# Altium PCB Nixie_IN12.PcbDoc (continued)
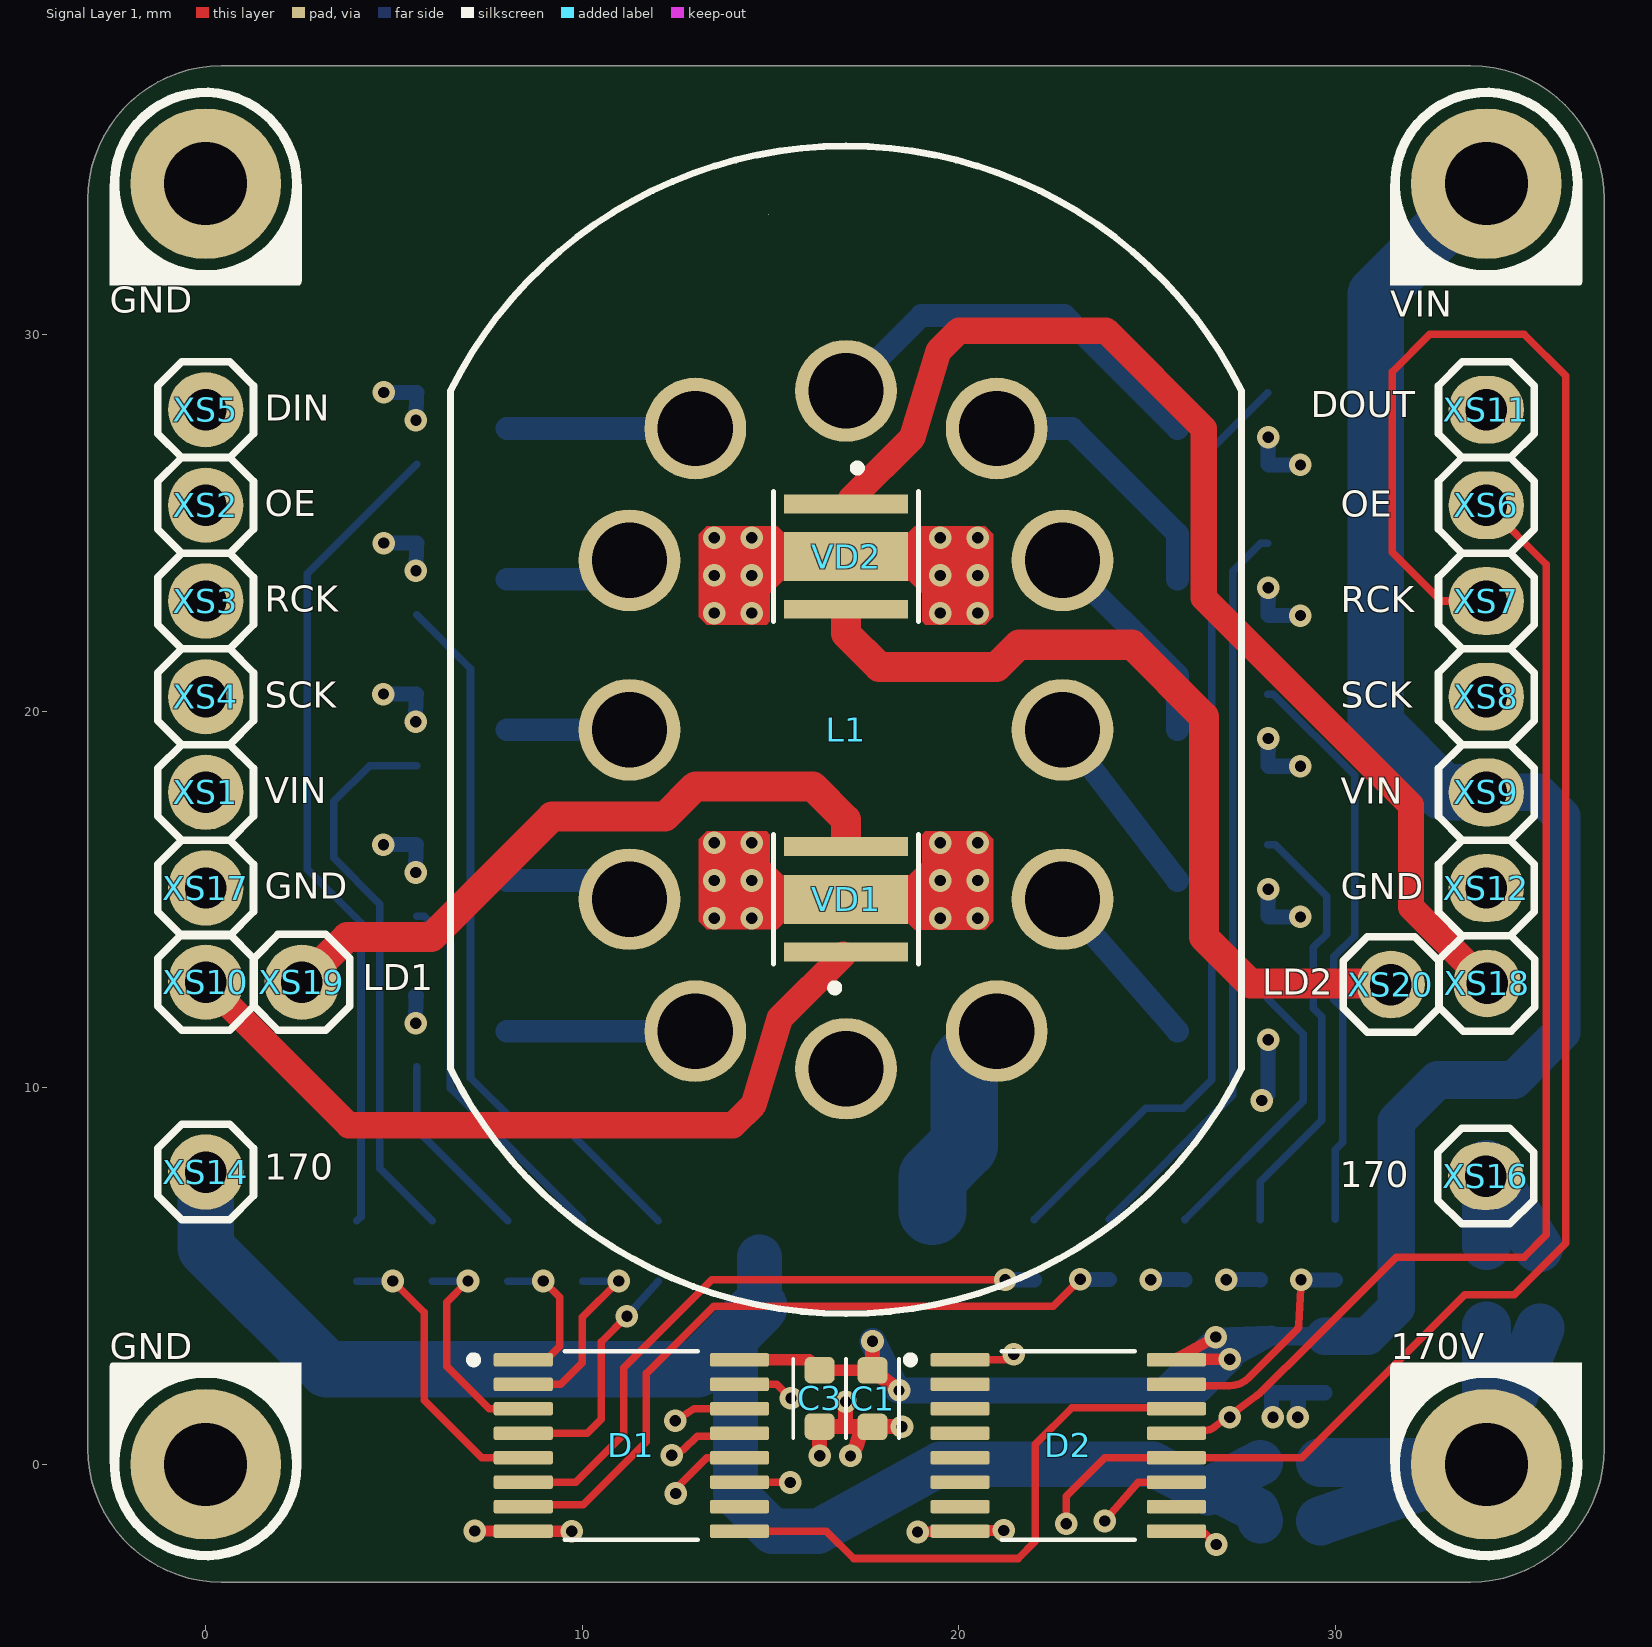
[diagram p0: Signal Layer 1 view]
## Design rules (kind name [scope] priority, off if disabled: settings) (continued)
Height [All] p1: minheight=0 maxheight=1000 prefheight=0
MinimumSolderMaskSliver [All] p1: minsoldermaskwidth=0.2
PlaneClearance [All] p1: clearance=0.5
PlaneConnect [All] p1: planeconnectstyle=Relief reliefexpansion=0.5 reliefentries=4 reliefconductorwidth=0.25 reliefairgap=0.25
PolygonConnect PolygonConnect_VIA [IsVia] p1: connectstyle=Direct reliefconductorwidth=0.3 reliefentries=4 polygonreliefangle="45 Angle" airgapwidth=0.25
PolygonConnect [All] p2: connectstyle=Direct reliefconductorwidth=0.3 reliefentries=4 polygonreliefangle="90 Angle" airgapwidth=0.25
RoutingCorners [All] p1: cornerstyle=45-Degree minsetback=2.5 maxsetback=2.5
RoutingVias [All] p1: holewidth=0.3 width=0.6 viastyle="Through Hole" minholewidth=0.2 minwidth=0.5 maxholewidth=0.7 maxwidth=1.2
ShortCircuit [All] p1: allowed=TRUE
SilkToSilkClearance [All] p1: silktosilkclearance=0.2
SilkToSolderMaskClearance [IsPad] p1: minsilkscreentomaskgap=0.2 clearancetoexposedcopper=TRUE
SolderMaskExpansion [All] p1: expansion=0.075 istentingtop=FALSE
Width [All] p1: maxlimit=2.5 minlimit=0.125 preferedwidth=0.25 substack1={F395EEA6-3FEA-43CE-B6E0-8CB6C0DE68A3} toplayer_{f395eea6-3fea-43ce-b6e0-8cb6c0de68a3}_minwidth=0.15 midlayer1_{f395eea6-3fea-43ce-b6e0-8cb6c0de68a3}_minwidth=0.15 midlayer2_{f395eea6-3fea-43ce-b6e0-8cb6c0de68a3}_minwidth=0.15 bottomlayer_{f395eea6-3fea-43ce-b6e0-8cb6c0de68a3}_minwidth=0.15 substack2={8E264451-6B6F-4AEF-BE25-3FA629468181} toplayer_{8e264451-6b6f-4aef-be25-3fa629468181}_minwidth=0.15 midlayer1_{8e264451-6b6f-4aef-be25-3fa629468181}_minwidth=0.15 midlayer2_{8e264451-6b6f-4aef-be25-3fa629468181}_minwidth=0.15 bottomlayer_{8e264451-6b6f-4aef-be25-3fa629468181}_minwidth=0.15 substack3={4B01B843-C838-4E2A-A504-E6D8B842CAE6} toplayer_{4b01b843-c838-4e2a-a504-e6d8b842cae6}_minwidth=0.15 midlayer1_{4b01b843-c838-4e2a-a504-e6d8b842cae6}_minwidth=0.15 midlayer2_{4b01b843-c838-4e2a-a504-e6d8b842cae6}_minwidth=0.15 bottomlayer_{4b01b843-c838-4e2a-a504-e6d8b842cae6}_minwidth=0.15 substack4={13A373E5-A3F0-4F58-9A2E-6A10E35ADB22} toplayer_{13a373e5-a3f0-4f58-9a2e-6a10e35adb22}_minwidth=0.15 midlayer1_{13a373e5-a3f0-4f58-9a2e-6a10e35adb22}_minwidth=0.15 midlayer2_{13a373e5-a3f0-4f58-9a2e-6a10e35adb22}_minwidth=0.15 bottomlayer_{13a373e5-a3f0-4f58-9a2e-6a10e35adb22}_minwidth=0.15 substack5={99483382-A1EF-4ECF-B319-A0B368B90AE1} toplayer_{99483382-a1ef-4ecf-b319-a0b368b90ae1}_minwidth=0.15 midlayer1_{99483382-a1ef-4ecf-b319-a0b368b90ae1}_minwidth=0.15 midlayer2_{99483382-a1ef-4ecf-b319-a0b368b90ae1}_minwidth=0.15 bottomlayer_{99483382-a1ef-4ecf-b319-a0b368b90ae1}_minwidth=0.15
20 further rules are at their usual default settings.

## Components (designator, comment, footprint, x,y, rotation, side; value= is the part's Value field where it differs from the comment)
C1 "Ceramic capacitor, 10 мкФ, X7R, ±10%, 16V, 0603, -55...+125°C" "CAP: 0603R" 17.704,1.746 r270 top value="10 мкФ"
C2 "Ceramic capacitor, 10 мкФ, X7R, ±10%, 16V, 0603, -55...+125°C" "CAP: 0603R" 29.713,2.65 r270 bottom value="10 мкФ"
C3 "Ceramic capacitor, 0,1 мкФ, X7R, ±10%, 16V, 0603, -55...+125°C" "CAP: 0603R" 16.301,1.75 r270 top value="0,1 мкФ"
C4 "Ceramic capacitor, 0,1 мкФ, X7R, ±10%, 16V, 0603, -55...+125°C" "CAP: 0603R" 28.3,2.649 r270 bottom value="0,1 мкФ"
D1 "" 16-TSSOP(RS) 11.301,0.5 r0 top
D2 "" 16-TSSOP(RS) 22.9,0.5 r0 top locked
L1 "ИН-12" "LAMP: IN-12" 17,19.5 r0 top locked
R1 "Resistor film, 20 кОм, ±5%, 0603, 0.1W, -55...+125°C" "RES: 0603_ASK" 26.012,6.489 r270 bottom value="20 кОм"
R2 "Resistor film, 20 кОм, ±5%, 0603, 0.1W, -55...+125°C" "RES: 0603_ASK" 8.029,6.453 r270 bottom value="20 кОм"
R3 "Resistor film, 20 кОм, ±5%, 0603, 0.1W, -55...+125°C" "RES: 0603_ASK" 10.029,6.453 r270 bottom value="20 кОм"
R4 "Resistor film, 20 кОм, ±5%, 0603, 0.1W, -55...+125°C" "RES: 0603_ASK" 6.029,6.453 r270 bottom value="20 кОм"
R5 "Resistor film, 20 кОм, ±5%, 0603, 0.1W, -55...+125°C" "RES: 0603_ASK" 12.029,6.453 r270 bottom value="20 кОм"
R6 "Resistor film, 20 кОм, ±5%, 0603, 0.1W, -55...+125°C" "RES: 0603_ASK" 4.029,6.453 r270 bottom value="20 кОм"
R7 "Resistor film, 20 кОм, ±5%, 0603, 0.1W, -55...+125°C" "RES: 0603_ASK" 22.012,6.489 r270 bottom value="20 кОм"
R8 "Resistor film, 20 кОм, ±5%, 0603, 0.1W, -55...+125°C" "RES: 0603_ASK" 24,6.5 r270 bottom value="20 кОм"
R9 "Resistor film, 20 кОм, ±5%, 0603, 0.1W, -55...+125°C" "RES: 0603_ASK" 30,6.5 r270 bottom value="20 кОм"
R10 "Resistor film, 20 кОм, ±5%, 0603, 0.1W, -55...+125°C" "RES: 0603_ASK" 28.012,6.489 r270 bottom value="20 кОм"
R11 "Resistor film, 20 кОм, ±5%, 2010, 0.75W, -55...+125°C" "RES: 2010" 17,5.5 r180 bottom value="20 кОм"
R12 "Resistor film, Не уст, ±5%, 0603, 0.1W, -55...+125°C" "RES: 0603_ASK" 33.988,3.911 r90 bottom value="Не уст"
R13 "Resistor film, Не уст, ±5%, 0603, 0.1W, -55...+125°C" "RES: 0603_ASK" 35.525,3.911 r90 bottom value="Не уст"
R14 "Resistor film, Не уст, ±5%, 0603, 0.1W, -55...+125°C" "RES: 0603_ASK" 29.589,-1.512 r180 bottom value="Не уст"
R15 "Resistor film, Не уст, ±5%, 0603, 0.1W, -55...+125°C" "RES: 0603_ASK" 29.589,0.032 r180 bottom value="Не уст"
VD1 "LED, , , XP-G2, -55...+150°C" "LED: XTEAWT" 17,15 r90 top
VD2 "LED, , , XP-G2, -55...+150°C" "LED: XTEAWT" 17,24.1 r270 top
VT1 "NPN transistor, 45V, 100mA, 100MHz, 300mW, 0.6V, 420, SOT-23, -55...+125°C" SOT23 27,11.5 r180 bottom
VT2 "NPN transistor, 45V, 100mA, 100MHz, 300mW, 0.6V, 420, SOT-23, -55...+125°C" SOT23 6.8,11.5 r0 bottom
VT3 "NPN transistor, 45V, 100mA, 100MHz, 300mW, 0.6V, 420, SOT-23, -55...+125°C" SOT23 6.8,15.5 r0 bottom
VT4 "NPN transistor, 45V, 100mA, 100MHz, 300mW, 0.6V, 420, SOT-23, -55...+125°C" SOT23 6.8,19.5 r0 bottom
VT5 "NPN transistor, 45V, 100mA, 100MHz, 300mW, 0.6V, 420, SOT-23, -55...+125°C" SOT23 6.8,23.5 r0 bottom
VT6 "NPN transistor, 45V, 100mA, 100MHz, 300mW, 0.6V, 420, SOT-23, -55...+125°C" SOT23 6.8,27.5 r0 bottom
VT7 "NPN transistor, 45V, 100mA, 100MHz, 300mW, 0.6V, 420, SOT-23, -55...+125°C" SOT23 27,27.5 r180 bottom
VT8 "NPN transistor, 45V, 100mA, 100MHz, 300mW, 0.6V, 420, SOT-23, -55...+125°C" SOT23 27,23.5 r180 bottom
VT9 "NPN transistor, 45V, 100mA, 100MHz, 300mW, 0.6V, 420, SOT-23, -55...+125°C" SOT23 27,19.5 r180 bottom
VT10 "NPN transistor, 45V, 100mA, 100MHz, 300mW, 0.6V, 420, SOT-23, -55...+125°C" SOT23 27,15.5 r180 bottom
XS1 "" "CON: PLD-1"#1 0,17.84 r90 top
XS2 "" "CON: PLD-1"#1 0,25.46 r90 top
XS3 "" "CON: PLD-1"#1 0,22.92 r90 top
XS4 "" "CON: PLD-1"#1 0,20.38 r90 top
XS5 "" "CON: PLD-1"#1 0,28 r90 top
XS6 "" "CON: PLD-1"#2 34,25.46 r90 top
XS7 "" "CON: PLD-1"#2 34,22.92 r90 top
XS8 "" "CON: PLD-1"#2 34,20.38 r90 top
XS9 "" "CON: PLD-1"#2 34,17.84 r90 top
XS10 "" "CON: PLD-1"#1 0,12.8 r90 top
XS11 "" "CON: PLD-1"#2 34,28 r90 top
XS12 "" "CON: PLD-1"#2 34,15.3 r90 top
XS14 "" "CON: PLD-1"#1 0,7.76 r90 top
XS16 "" "CON: PLD-1"#2 33.984,7.651 r90 top
XS17 "" "CON: PLD-1"#1 0,15.3 r90 top
XS18 "" "CON: PLD-1"#3 34.02,12.769 r90 top
XS19 "" "CON: PLD-1"#1 2.555,12.797 r90 top
XS20 "" "CON: PLD-1"#3 31.468,12.738 r90 top

## Footprints (in the part's own frame and the unit in brackets; to place one, negate y for a bottom-side part, rotate by r counter-clockwise, add the part's x,y. Pads: shape width x height; smd on the part's side, far side on the other; paste and mask are expansions set on the pad)
16-TSSOP(RS) [mm] "pitch 0.635 mm"
  rrect25% 1.57x0.35 smd: 1(-2.87,2.275) 2(-2.87,1.625) 3(-2.87,0.975) 4(-2.87,0.325) 5(-2.87,-0.325) 6(-2.87,-0.975) 7(-2.87,-1.625) 8(-2.87,-2.275) 9(2.87,-2.275) 10(2.87,-1.625) 11(2.87,-0.975) 12(2.87,-0.325) 13(2.87,0.325) 14(2.87,0.975) 15(2.87,1.625) 16(2.87,2.275)
  silkscreen extent -4.29,-2.5 1.77,2.5, body extent -3.2,-2.5 3.2,2.5, height 1.2
"CAP: 0603R" [mm]
  rrect43% 0.7x0.8 smd mask+0.1: 1(0.75,0) 2(-0.75,0)
  silkscreen extent -1.05,-0.7 1.05,0.7, body extent -0.87,-0.47 0.87,0.48, height 0.95
"CON: PLD-1"#1 [mm]
  round 2 hole 1.1: 1(0,0)
  silkscreen extent -1.27,-1.27 1.27,1.27
"CON: PLD-1"#2 [mm]
  oval 1.8x2 hole 1.1: 1(0,0)
  silkscreen extent -1.27,-1.27 1.27,1.27
"CON: PLD-1"#3 [mm]
  round 1.8 hole 1.1: 1(0,0)
  silkscreen extent -1.27,-1.27 1.27,1.27
"LAMP: IN-12" [mm]
  round 2.7 hole 2: 1(4,-8) 2(5.75,-4.5) 3(5.75,0) 4(5.75,4.5) 5(4,8) 6(0,9) 7(-4,8) 8(-5.75,4.5) 9(-5.75,0) 10(-5.75,-4.5) 11(-4,-8) 12(0,-9)
  silkscreen extent -10.5,-15.5 10.5,15.5, body extent -10.5,-15.5 10.5,15.5, height 36
"LED: XTEAWT" [mm]
  rect 0.5x3.3 smd: 1(-1.4,0) 2(1.4,0)
  rect 1.3x3.3 smd paste-3: E(0,0)
  silkscreen extent -2.45,-1.92 1.73,1.92, body extent -1.73,-1.73 1.72,1.72, height 2.38
"RES: 0603_ASK" [mm]
  rrect35% 0.9x0.9 smd mask+0.075: 1(-0.011,0.012) 2(1.589,0.012)
  silkscreen extent -0.41,-0.69 1.99,0.71, body extent -0.06,-0.44 1.64,0.46, height 0.55
"RES: 2010" [mm]
  rect 1.4x2.7 smd: 1(-2.3,0) 2(2.3,0)
  silkscreen extent -3.2,-1.6 3.2,1.55, body extent -2.5,-1.25 2.5,1.25, height 0.6
SOT23 [mm]
  rect 1x0.6 smd: 1(-1.2,0.95) 2(-1.2,-0.95) 3(1.2,0)
  round 0.5 on Mech1: ""(-0.9,1.1)
  silkscreen extent -1.33,-1.5 0.7,1.92, body extent -1.32,-1.52 1.32,1.52, height 1.12

## Part data
C1 C2 C3 C4: library part Ceramic_0603, Manufacturer=Yageo, Package=0603, Temperature=-55...+125°C, Tolerance=±10%, TypeCapacitor="Ceramic capacitor", TypeDielectric=X7R, Voltage=16V
  C1 C2: ValueManufacturerPartNumber="Ceramic capacitor, 10 мкФ, X7R, ±10%, 16V, 0603, -55...+125°C", Перечень="10 мкФ ±10%, , X7R,  0603"
  C3 C4: ValueManufacturerPartNumber="Ceramic capacitor, 0,1 мкФ, X7R, ±10%, 16V, 0603, -55...+125°C", Перечень="0,1 мкФ ±10%, , X7R,  0603"
D1 D2: library part SN74HC595DB, "8-Bit Parallel-Out Serial Shift Registers", Manufacturer="Texas Instruments", Package=16-TSSOP, PartNumber=SN74HC595PW, Temperature=-40...+125°C, Supply=2...6V
L1: PartNumber=ИН-12Б
R1 R2 R3 R4 R5 R6 R7 R8 R9 R10 R12 R13 R14 R15: library part Resistor_0603, Manufacturer=Yageo, Package=0603, PartNumber=RC0603JR-07100RL, Power=0.1W, Temperature=-55...+125°C, Tolerance=±5%, TypeResistor="Resistor film", HelpURL=https://www.digikey.com/product-detail/en/yageo/RC0603JR-07100RL/311-100GRCT-ND/729644
  R1 R2 R3 R4 R5 R6 R7 R8 R9 R10: ValueManufacturerPartNumber="Resistor film, 20 кОм, ±5%, 0603, 0.1W, -55...+125°C"
  R12 R13 R14 R15: ValueManufacturerPartNumber="Resistor film, Не уст, ±5%, 0603, 0.1W, -55...+125°C"
R11: library part Resistor_2010, Manufacturer=Yageo, Package=2010, PartNumber=RC2010JK-07100RL, Power=0.75W, Temperature=-55...+125°C, Tolerance=±5%, TypeResistor="Resistor film", HelpURL=https://www.digikey.com/product-detail/en/yageo/RC2010JK-07100RL/YAG3381CT-ND/5962203, ValueManufacturerPartNumber="Resistor film, 20 кОм, ±5%, 2010, 0.75W, -55...+125°C"
VD1 VD2: library part LED_Salut, Manufacturer=CREE, Maximum drive current="2 A", Package=XP-G2, PartNumber="XTEAWT - E0 - 0000 - 00000BGE7", Temperature=-55...+150°C, HelpURL=https://cree-led.com/media/documents/XLampXTE.pdf, Maximum V="2.85 V", TypeDiode=LED, ValueManufacturerPartNumber="LED, , , XP-G2, -55...+150°C"
VT1 VT2 VT3 VT4 VT5 VT6 VT7 VT8 VT9 VT10: library part BJT_NPN_132, CurrentCE=100mA, CurrentGain=420, Frequency=100MHz, Manufacturer="ON Semiconductor", MaxPower=300mW, Package=SOT-23, PartNumber=MMBTA42, Temperature=-55...+125°C, VoltageCE=45V, VoltageSaturation=0.6V, HelpURL=https://www.digikey.com/product-detail/en/on-semiconductor/BC847CLT1G/BC847CLT1GOSCT-ND/917836, TypeTransistor="NPN transistor", ValueManufacturerPartNumber="NPN transistor, 45V, 100mA, 100MHz, 300mW, 0.6V, 420, SOT-23, -55...+125°C"
XS1 XS2 XS3 XS4 XS5 XS6 XS7 XS8 XS9 XS10 XS11 XS12 XS14 XS16 XS17 XS18 XS19 XS20: library part Контр.точка, CurrentMax=3A, Multichannel=1pin, TypeConnector=Connector, Перечень="Элемент платы"

## Free pads (board coordinates)
  round 4 hole 2.2: 16(0,0) 16(0,34) 16(34,0) 16(34,34)

## Via types
v1: diameter 0.6, hole 0.3, Signal Layer 1 to Bottom Layer, tented both sides, 77 vias

## Nets (pads, with @x,y where several pads share a name; then routed paths per layer and width w, separated by ;. In a path a pad name is that pad's centre, name@x,y a point inside that pad or via, vN(x,y) a via of type N, cw(c..) or ccw(c..) an arc to the next point about the centre after c; other vN are vias at no path point)
170V: pad.16@34,0 R11.2 R12.1 R12.2 R13.1 R13.2 R14.1 R14.2 R15.1 R15.2 XS14.1 XS16.1 | length 96.4
  Layer 2 w2.5: XS14.1@0.051,7.946 2.75,7.206 31.25,7.206 XS16.1@33.906,7.934
  Bottom Layer w1.2: 14.063,3.547 14.063,-0.794 15.046,-1.777 16.261,-1.777 19.5,0 25.005,0 ; R11.2@14.7,4.184 R11.2 ; 25.135,0 26.607,-0.759 ; 26.667,-0.643 26.73,-0.611 ; R14.2 27.91,-1.219 26.73,-0.611 ; R15.2 26.73,-0.611
  Bottom Layer w1.3: R14.1 pad.16@34,0 ; R15.1 pad.16@33.956,0.044 ; R12.1@34,3.677 pad.16@34,0 ; R12.2@34,5.807 34,7.96 34.134,7.745 R13.2@35.387,5.739 ; R13.1@35.425,3.618 pad.16@34,0
  Bottom Layer w1.5: XS14.1 0,5.751 3.22,2.53 13.046,2.53 14.063,3.547 R11.2@14.7,4.184 ; pad.16@33.956,0.044 pad.16@34,0
DIN: D1.14 XS5.1 | length 41
  Signal Layer 1 w0.2: v1(12.466,1.16) 12.966,1.475 D1.14
  Layer 2 w0.2: XS5.1 -1.826,26.174 -1.826,5.826 0,4 2,4 4.84,1.16 v1(12.466,1.16)
DOUT: D2.9 XS11.1 | length 38
  Signal Layer 1 w0.2: D2.9 26.475,-1.775 v1(26.827,-2.127)
  Layer 2 w0.2: v1(26.827,-2.127) 27.743,-2.127 30.564,0.693 30.564,2.165 32.77,4.371 34.241,4.371 36.031,6.16 ccw(c35.889,6.301) 36.089,6.3 36.091,6.608 ccw(c35.591,6.611) 36.091,6.611 36.091,18.789 ccw(c35.591,18.789) 36.091,18.791 36.089,26.828 ccw(c35.889,26.828) 36.031,26.969 ; XS11.1 35,28 36.031,26.969
GND: C1.1 C2.1 C3.1 C4.1 D1.8 D2.8 pad.16@0,0 pad.16@0,34 VT1.2 VT2.2 VT3.2 VT4.2 VT5.2 VT6.2 VT7.2 VT8.2 VT9.2 VT10.2 XS12.1 XS17.1 | length 27.4
  Signal Layer 1 w0.3: v1(7.145,-1.771) D1.8@8.431,-1.771 ; D1.8 v1(9.717,-1.776) ; v1(18.901,-1.796) D2.8@20.025,-1.776 ; D2.8 20.665,-1.755 v1(21.191,-1.755)
  Signal Layer 1 w0.4: v1(16.3,0.228) C3.1 ; C3.1 16.992,1 17.378,1 17.704,1 17.714,1 v1(18.486,1) ; 16.992,1.015 v1(16.992,1.661) ; v1(17.119,0.224) 17.223,0.38 ccw(c16.889,0.6) 17.271,0.481 17.378,0.825 C1.1
  Bottom Layer w0.4: v1(4.719,16.45) 5.566,16.45 VT3.2@5.583,16.433 ; v1(4.719,20.45) 5.566,20.45 VT4.2@5.583,20.433 ; v1(4.728,24.459) 5.574,24.459 VT5.2@5.591,24.441 ; v1(4.728,28.459) 5.574,28.459 VT6.2@5.591,28.441 ; VT2.2@5.566,12.45 VT2.2@5.583,12.433 ; v1(5.573,11.713) VT2.2@5.583,12.433 ; v1(5.573,15.713) VT3.2@5.583,16.433 ; v1(5.573,19.713) VT4.2@5.583,20.433 ; v1(5.582,23.722) VT5.2@5.591,24.441 ; v1(5.582,27.722) VT6.2@5.591,28.441 ; VT2.2 VT2.2@5.583,12.433 ; VT3.2 VT3.2@5.583,16.433 ; VT4.2 VT4.2@5.583,20.433 ; VT5.2@5.609,24.459 VT5.2 VT5.2@5.591,24.441 ; VT6.2@5.609,28.459 VT6.2 VT6.2@5.591,28.441 ; v1(28.038,9.659) 28.2,9.821 VT1.2 v1(28.21,11.27) ; VT10.2 v1(28.21,15.27) ; VT9.2 v1(28.21,19.27) ; VT8.2 v1(28.21,23.27) ; VT7.2 v1(28.21,27.27) ; VT10.2@28.217,14.533 v1(29.064,14.533) ; VT9.2@28.217,18.533 v1(29.064,18.533) ; VT8.2@28.217,22.533 v1(29.064,22.533) ; VT7.2@28.217,26.533 v1(29.064,26.533) ; v1(28.334,1.248) 28.305,1.439 cw(c28.7,1.5) 28.3,1.499 28.3,1.742 cw(c28.7,1.744) 28.3,1.745 28.3,1.749 C4.1 29.007,1.9 ; v1(28.995,1.253) 28.999,1.253 29.007,1.487 ccw(c28.607,1.5) 29.007,1.5 29.007,1.9 ; C2.1 29.007,1.9
NetD1_1: D1.1 R2.2 | length 3.3
  Signal Layer 1 w0.2: v1(8.964,4.867) 9.395,4.436 9.395,3.135 D1.1@9.053,2.792
  Bottom Layer w0.2: R2.2 v1(8.964,4.867)
NetD1_2: D1.2 R3.2 | length 5.3
  Signal Layer 1 w0.2: D1.2 9.425,2.125 10,2.7 10,3.904 v1(10.964,4.867)
  Bottom Layer w0.2: R3.2 v1(10.964,4.867)
NetD1_3: D1.3 R4.2 | length 5.9
  Signal Layer 1 w0.2: v1(6.964,4.867) 6.4,4.304 6.4,2.6 7.525,1.475 D1.3
  Bottom Layer w0.2: R4.2 v1(6.964,4.867)
NetD1_4: D1.4 R5.2 | length 6.5
  Signal Layer 1 w0.2: D1.4 10.125,0.825 10.5,1.2 10.5,3.248 v1(11.184,3.931)
  Bottom Layer w0.2: v1(11.184,3.931) 12.019,4.862 R5.2
NetD1_5: D1.5 R6.2 | length 7.7
  Signal Layer 1 w0.2: v1(4.964,4.867) 5.8,4.031 5.8,1.7 7.325,0.175 D1.5
  Bottom Layer w0.2: R6.2 v1(4.964,4.867)
NetD1_6: D1.6 R7.2 | length 16.8
  Signal Layer 1 w0.2: D1.6 9.825,-0.475 11.1,0.8 11.1,2.559 13.441,4.9 v1(21.228,4.9)
  Bottom Layer w0.4: v1(21.228,4.9) R7.2
NetD1_7: D1.7 R8.2 | length 19.1
  Signal Layer 1 w0.2: D1.7 8.482,-1.074 10.026,-1.074 11.7,0.6 11.7,2.411 13.483,4.194 22.499,4.194 v1(23.216,4.911)
  Bottom Layer w0.4: v1(23.216,4.911) R8.2
NetD1_9: D1.9 D2.14 | length 15.1
  Signal Layer 1 w0.2: D1.9 16.475,-1.775 17.2,-2.5 21.57,-2.5 22.028,-2.042 22.028,0.528 23,1.5 25.745,1.5 D2.14
NetD1_15: D1.15 R1.2 | length 13.7
  Signal Layer 1 w0.2: D1.15 15.166,2.125 v1(15.539,1.752)
  Layer 2 w0.2: v1(15.539,1.752) 15.539,2.539 17.064,4.064 24.255,4.064 v1(25.093,4.902)
  Bottom Layer w0.4: v1(25.093,4.902) R1.2
NetD2_1: D2.1 R10.2 | length 8.9
  Signal Layer 1 w0.2: D2.1 21.309,2.775 v1(21.454,2.92)
  Layer 2 w0.2: v1(21.454,2.92) 24.42,2.92 26.402,4.902 v1(27.093,4.902)
  Bottom Layer w0.4: v1(27.093,4.902) R10.2
NetD2_15: D2.15 R9.2 | length 6
  Signal Layer 1 w0.2: D2.15 26.455,2.088 27.187,2.088 ccw(c27.187,2.788) 27.681,2.291 28.967,3.571 ccw(c28.826,3.713) 29.026,3.703 ; 29.026,3.704 v1(29.081,4.901)
  Bottom Layer w0.4: v1(29.081,4.901) R9.2@29.988,4.899
NetL1_1: L1.1 R11.1 | length 5.5
  Bottom Layer w1.8: R11.1@19.3,6.726 19.3,7.635 20.137,8.473 20.137,10.637 L1.1
NetL1_2: L1.2 VT1.3 | length 4.6
  Bottom Layer w0.6: L1.2 VT1.3
NetL1_3: L1.3 VT10.3 | length 5
  Bottom Layer w0.6: L1.3 VT10.3
NetL1_4: L1.4 VT9.3 | length 5.8
  Bottom Layer w0.6: L1.4 25.8,20.95 VT9.3
NetL1_5: L1.5 VT8.3 | length 7.2
  Bottom Layer w0.6: L1.5 23,27.5 25.8,24.7 VT8.3
NetL1_6: L1.6 VT7.3 | length 10.9
  Bottom Layer w0.6: L1.6 19,30.5 22.8,30.5 VT7.3
NetL1_7: L1.7 VT6.3 | length 5
  Bottom Layer w0.6: VT6.3 L1.7
NetL1_8: L1.8 VT5.3 | length 3.5
  Bottom Layer w0.6: VT5.3 10.75,23.5 L1.8
NetL1_9: L1.9 VT4.3 | length 3.3
  Bottom Layer w0.6: VT4.3 L1.9
NetL1_10: L1.10 VT3.3 | length 3.5
  Bottom Layer w0.6: VT3.3 10.75,15.5 L1.10
NetL1_11: L1.11 VT2.3 | length 5
  Bottom Layer w0.6: VT2.3 L1.11
NetR1_1: R1.1 VT1.1 | length 7.6
  Bottom Layer w0.2: R1.1 29.135,9.635 29.135,11.42 28.2,12.355 VT1.1
NetR2_1: R2.1 VT2.1 | length 5.1
  Bottom Layer w0.2: VT2.1 5.6,8.881 R2.1
NetR3_1: R3.1 VT3.1 | length 10
  Bottom Layer w0.2: VT3.1 5.803,14.55 6.5,13.853 6.5,9.981 R3.1
NetR4_1: R4.1 VT4.1 | length 14.8
  Bottom Layer w0.2: VT4.1 4.35,18.55 3.4,17.6 3.4,16.1 4.625,14.875 4.625,7.856 R4.1
NetR5_1: R5.1 VT5.1 | length 19.4
  Bottom Layer w0.2: VT5.1 7.031,21.119 7.031,10.269 8.3,9 9.481,9 R5.1
NetR6_1: R6.1 VT6.1 | length 21.9
  Bottom Layer w0.2: R6.1 4.124,6.571 4.124,14.379 2.698,15.804 2.698,23.648 VT6.1
NetR7_1: R7.1 VT7.1 | length 25.1
  Bottom Layer w0.2: R7.1 24.954,9.454 25.954,9.454 26.712,10.212 26.712,26.962 VT7.1
NetR8_1: R8.1 VT8.1 | length 19.8
  Bottom Layer w0.2: R8.1 27.273,9.796 27.273,23.711 28.012,24.45 VT8.1
NetR9_1: R9.1 VT9.1 | length 15.4
  Bottom Layer w0.2: VT9.1 28.348,20.45 30.501,18.297 30.501,14.026 29.947,13.472 29.947,12.339 30.182,12.104 30.182,11.707 30.188,11.701 30.188,8.555 29.988,8.356 R9.1
NetR10_1: R10.1 VT10.1 | length 11.6
  Bottom Layer w0.2: R10.1 28,7.5 29.635,9.135 29.635,11.884 29.409,12.11 29.409,13.722 29.764,14.077 29.764,15.082 28.396,16.45 VT10.1
NetVD1_1: VD1.1 XS10.1 | length 21.1
  Signal Layer 1 w0.7: XS10.1 3.8,9 14,9 14.542,9.542 15.238,11.838 VD1.1@16.925,13.525
NetVD1_2: VD1.2 XS19.1 | length 17.4
  Signal Layer 1 w0.8: XS19.1 3.758,14 6,14 9.195,17.195 12.195,17.195 13,18 16.116,18 17,17.116 17,16.669
NetVD2_1: VD2.1 XS18.1 | length 30.9
  Signal Layer 1 w0.7: VD2.1@17.14,25.64 18.762,27.262 19.458,29.558 20,30.1 23.9,30.1 26.5,27.5 26.5,23 32,17.5 32,14.788 XS18.1
NetVD2_2: VD2.2 XS20.1 | length 22.7
  Signal Layer 1 w0.8: VD2.2@17,22.5 17,22.054 17.884,21.169 21,21.169 21.589,21.759 24.593,21.759 26.5,19.852 26.5,14 27.739,12.761 XS20.1@31.445,12.761
OE: D1.13 D2.13 XS2.1 XS6.1 | length 95.7
  Signal Layer 1 w0.2: v1(12.374,0.238) 12.691,0.395 13.046,0.75 14.096,0.75 D1.13 ; D2.13 26.455,0.9 26.511,0.9 ccw(c26.511,1.344) 26.776,0.987 27.165,1.276 27.903,1.824 ccw(c27.187,2.788) 28.034,1.937 29.32,3.217 31.603,5.5 35,5.5 35.589,6.089 35.589,23.89 XS6.1@34.019,25.46
  Layer 2 w0.2: XS2.1 0.96,25.46 3,27.5 3,30.5 8,35.5 25.93,35.5 31.01,30.42 31.01,27.42 32.97,25.46 XS6.1 ; XS2.1@0.01,24.58 XS2.1@0.08,24.58 ; v1(12.374,0.238) 14.665,0.238 15.368,0.941 17.49,0.941 18.251,0.181 26.118,0.181 v1(27.185,1.248)
RCK: D1.12 D2.12 XS3.1 XS7.1 | length 115
  Signal Layer 1 w0.2: v1(12.483,-0.775) 12.483,-0.643 13.302,0.176 D1.12 ; v1(22.85,-1.574) 22.85,-0.848 23.872,0.175 D2.12 29.104,0.175 33.429,4.5 34.739,4.5 36.104,5.865 36.104,28.896 35,30 32.5,30 31.5,29 31.5,24.22 32.8,22.92 XS7.1
  Layer 2 w0.2: XS3.1 0.89,22.92 4,26.03 4,30.5 8,34.5 25.692,34.5 30.01,30.182 30.01,25.95 33.04,22.92 XS7.1 ; v1(12.483,-0.775) 13.208,-1.5 16.5,-1.5 16.978,-1.022 22.298,-1.022 v1(22.85,-1.574)
SCK: D1.11 D2.11 XS4.1 XS8.1 | length 97.2
  Signal Layer 1 w0.2: D1.11 15.511,-0.475 v1(15.518,-0.482) ; v1(23.867,-1.505) 24.757,-0.475 D2.11
  Layer 2 w0.2: XS4.1 2.12,22.5 6,22.5 6.587,23.087 6.587,31.087 9,33.5 24.93,33.5 27.01,31.42 27.01,23.42 28.93,21.5 32.88,21.5 XS8.1 35.591,18.789 35.591,6.611 33.938,4.958 32.314,4.958 29.843,2.487 29.843,0.863 28.981,0 27,0 25.495,-1.505 v1(23.867,-1.505) 22.838,-0.476 v1@15.524,-0.476
VCC: C1.2 C2.2 C3.2 C4.2 D1.16 D2.16 pad.16@34,34 XS1.1 XS9.1 | length 119.4
  Signal Layer 1 w0.3: D1.16 16.026,2.775 C3.2 17.699,2.5 C1.2 ; D2.16 D2.16@25.783,2.788 ; D2.16@25.783,2.813 v1(26.82,3.378) ; D2.16@25.795,2.8 D2.16@25.783,2.788 ; v1(27.187,2.788) D2.16@25.783,2.788
  Signal Layer 1 w0.4: v1(17.704,3.268) C1.2 v1(18.409,1.961)
  Layer 2 w1.2: XS1.1@-0.084,17.8 2.794,17.8 3.14,18.146 6.565,18.146 8.335,19.917 8.335,28.276 12.041,31.981 22.519,31.981 25.616,28.884 25.616,19.455 28.11,16.961 31.718,16.961 32.597,17.84 XS9.1
  Bottom Layer w0.5: v1(26.82,3.378) C4.2@28.299,3.434 ; v1(27.187,2.788) 27.609,3.019 C4.2 ; C4.2 C2.2
  Bottom Layer w0.6: 19.453,1.961 19.456,1.959
  Bottom Layer w0.7: v1(17.704,3.268) v1@18.345,1.988 ; v1(18.409,1.961) 19.453,1.961 ; 19.456,1.959 26.359,1.959 v1(27.187,2.788)
  Bottom Layer w1: C2.2 30.847,3.4 31.604,4.157 31.604,9.104 32.706,10.206 34.734,10.206 35.998,11.47 35.998,17.209 35.367,17.84 XS9.1
  Bottom Layer w1.5: XS9.1 32.853,17.84 31.068,19.625 31.068,31.068 pad.16@34,34
pads on no net: D1.10 D2.2 D2.3 D2.4 D2.5 D2.6 D2.7 D2.10 L1.12 VD1.E VD2.E VT1. VT2. VT3. VT4. VT5. VT6. VT7. VT8. VT9. VT10.
copper on no net:
  other v1: 13.5,14.5 14.5,14.5 19.5,14.5 20.5,14.5 13.5,15.5 14.5,15.5 19.5,15.5 20.5,15.5 13.5,16.5 14.5,16.5 19.5,16.5 20.5,16.5 13.5,22.6 14.5,22.6 19.5,22.6 20.5,22.6 13.5,23.6 14.5,23.6 19.5,23.6 20.5,23.6 13.5,24.6 14.5,24.6 19.5,24.6 20.5,24.6

## Polygon pours and split planes (outlines as drawn)
GND on Layer 1 "NONET_L-01_P-001" (solid, pour order 0): -3.127,0.414 ccw(c0.414,0.414) 0.414,-3.127 33.586,-3.127 ccw(c33.586,0.414) 37.127,0.414 37.127,33.586 ccw(c33.586,33.586) 33.586,37.127 0.414,37.127 ccw(c0.414,33.586) -3.127,33.586

## Other copper
Signal Layer 1:
  region: 17.5,23.6 17.364,23.464 15.318,23.464 14.98,23.126 14.98,22.38 14.893,22.293 13.297,22.293 13.089,22.502 13.089,24.687 13.305,24.903 15.171,24.903 15.474,24.6 17.5,24.6
  region: 16.5,23.6 16.636,23.464 18.682,23.464 19.02,23.126 19.02,22.38 19.107,22.293 20.703,22.293 20.911,22.502 20.911,24.687 20.698,24.899 18.825,24.899 18.526,24.6 16.5,24.6
  region: 16.5,15.5 16.636,15.636 18.682,15.636 19.02,15.974 19.02,16.72 19.107,16.807 20.703,16.807 20.911,16.598 20.911,14.413 20.695,14.197 18.829,14.197 18.526,14.5 16.5,14.5
  region: 17.5,15.5 17.364,15.636 15.318,15.636 14.98,15.974 14.98,16.72 14.893,16.807 13.297,16.807 13.089,16.598 13.089,14.413 13.302,14.201 15.175,14.201 15.474,14.5 17.5,14.5
  region: 115.118,94.252 115.322,94.252 115.322,94.049 115.118,94.049 115.118,94.252 114.915,94.252 114.915,94.455 115.118,94.455
Layer 1:
  pour cut-out: 30.966,34 ccw(c34,34) 34,30.966 ccw(c34,34) 37.034,34 ccw(c34,34) 34,37.034 ccw(c34,34)
  pour cut-out: 30.966,0 ccw(c34,0) 34,-3.034 ccw(c34,0) 37.034,0 ccw(c34,0) 34,3.034 ccw(c34,0)
Bottom Layer:
  pour cut-out: 30.988,-0.022 ccw(c34.022,-0.022) 34.022,-3.056 ccw(c34.022,-0.022) 37.056,-0.022 ccw(c34.022,-0.022) 34.022,3.012 ccw(c34.022,-0.022)
  region net VCC: 26.5,2 27.613,2.924 27.5,3.5 26.679,3.636 25,2

## Silkscreen, mask and mechanical layers (free items; w line width, h text height)
Top Overlay:
  circle w0.254: c34,0 r2.423
  circle w0.254: c0,0 r2.423
  circle w0.254: c34,34 r2.423
  circle w0.254: c0,34 r2.423
  region: 36.537,0 36.537,2.7 31.5,2.7 ccw(c31.61,2.59) 31.454,2.59 31.454,0.01 31.553,0.01 cw(c31.553,-0.025) 31.577,0 31.7,0.7 32,1.3 32.3,1.7 32.6,2 33.2,2.3 33.8,2.4 34.4,2.4 34.9,2.3 35.4,2 36,1.4 36.2,1 36.4,0.3 36.4,0
  region: 2.543,0 2.543,2.7 -2.5,2.7 ccw(c-2.39,2.59) -2.546,2.59 -2.546,0.01 -2.447,0.01 cw(c-2.447,-0.025) -2.423,0 -2.3,0.7 -2,1.3 -1.7,1.7 -1.4,2 -0.8,2.3 -0.2,2.4 0.4,2.4 0.9,2.3 1.4,2 2,1.4 2.2,1 2.4,0.3 2.4,0
  region: 31.447,34 31.447,31.3 36.5,31.3 ccw(c36.39,31.41) 36.546,31.411 36.546,33.99 36.447,33.99 cw(c36.447,34.025) 36.423,34 36.3,33.3 36,32.7 35.7,32.3 35.4,32 34.8,31.7 34.2,31.6 33.6,31.6 33.1,31.7 32.6,32 32,32.6 31.8,33 31.6,33.7 31.6,34
  region: -2.548,34 -2.548,31.3 2.5,31.3 ccw(c2.39,31.41) 2.546,31.411 2.546,33.99 2.447,33.99 cw(c2.447,34.025) 2.423,34 2.3,33.3 2,32.7 1.7,32.3 1.4,32 0.8,31.7 0.2,31.6 -0.4,31.6 -0.9,31.7 -1.4,32 -2,32.6 -2.2,33 -2.4,33.7 -2.4,34
  region: 14.952,33.185 14.953,33.185 14.953,33.183 14.952,33.183
  region: 14.953,33.181 14.953,33.183 14.955,33.183 14.955,33.181
  region: 16.237,32.92 16.237,32.922 16.239,32.922 16.239,32.92 16.24,32.92 16.24,32.918 16.239,32.918 16.239,32.92
  text "GND" at -2.549,30.33 h1.2
  text "VIN" at 31.446,30.225 h1.2
  text "DOUT" at 29.337,27.565 h1.2
  text "DIN" at 1.571,27.47 h1.2
  text "OE" at 1.571,24.93 h1.2
  text "OE" at 30.139,24.923 h1.2
  text "RCK" at 1.571,22.39 h1.2
  text "RCK" at 30.139,22.383 h1.2
  text "SCK" at 1.571,19.85 h1.2
  text "SCK" at 30.139,19.843 h1.2
  text "VIN" at 1.571,17.31 h1.2
  text "VIN" at 30.139,17.303 h1.2
  text "GND" at 1.571,14.77 h1.2
  text "GND" at 30.139,14.763 h1.2
  text "LD1" at 4.175,12.35 h1.2
  text "LD2" at 28.056,12.227 h1.2
  text "170" at 1.561,7.31 h1.2
  text "170" at 30.113,7.114 h1.2
  text "GND" at -2.543,2.544 h1.2
  text "170V" at 31.457,2.544 h1.2
Bottom Overlay:
  circle w0.254: c34,34 r2.423
  circle w0.254: c0,34 r2.423
  circle w0.254: c0,0 r2.423
  circle w0.254: c34,0 r2.423
  region: 36.553,34 36.553,31.3 31.5,31.3 cw(c31.61,31.41) 31.454,31.411 31.454,33.99 31.553,33.99 ccw(c31.553,34.025) 31.577,34 31.7,33.3 32,32.7 32.3,32.3 32.6,32 33.2,31.7 33.8,31.6 34.4,31.6 34.9,31.7 35.4,32 36,32.6 36.2,33 36.4,33.7 36.4,34
  region: 2.548,34 2.548,31.3 -2.5,31.3 cw(c-2.39,31.41) -2.546,31.411 -2.546,33.99 -2.447,33.99 ccw(c-2.447,34.025) -2.423,34 -2.3,33.3 -2,32.7 -1.7,32.3 -1.4,32 -0.8,31.7 -0.2,31.6 0.4,31.6 0.9,31.7 1.4,32 2,32.6 2.2,33 2.4,33.7 2.4,34
  region: -2.543,0 -2.543,2.7 2.5,2.7 cw(c2.39,2.59) 2.546,2.59 2.546,0.01 2.447,0.01 ccw(c2.447,-0.025) 2.423,0 2.3,0.7 2,1.3 1.7,1.7 1.4,2 0.8,2.3 0.2,2.4 -0.4,2.4 -0.9,2.3 -1.4,2 -2,1.4 -2.2,1 -2.4,0.3 -2.4,0
  text "GND" at 2.549,29.595 h1.5
  text "VIN" at 36.554,29.595 h1.5
  text "DOUT" at 32.405,27.565 h1.2
  text "DIN" at 3.7,27.47 h1.2
  text "OE" at 3.7,24.93 h1.2
  text "OE" at 32.268,24.923 h1.2
  text "RCK" at 3.7,22.39 h1.2
  text "RCK" at 32.268,22.383 h1.2
  text "SCK" at 3.7,19.85 h1.2
  text "SCK" at 32.268,19.843 h1.2
  text "VIN" at 3.7,17.31 h1.2
  text "VIN" at 32.268,17.303 h1.2
  text "GND" at 3.7,14.77 h1.2
  text "GND" at 32.268,14.763 h1.2
  text "170" at 3.71,7.31 h1.2
  text "170" at 32.262,7.114 h1.2
  text "GND" at 2.543,2.544 h1.5
Top Solder:
  region: 17.5,23.6 17.364,23.464 15.318,23.464 14.98,23.126 14.98,22.38 14.893,22.293 13.297,22.293 13.089,22.502 13.089,24.687 13.305,24.903 15.171,24.903 15.474,24.6 17.5,24.6
  region: 16.5,23.6 16.636,23.464 18.682,23.464 19.02,23.126 19.02,22.38 19.107,22.293 20.703,22.293 20.911,22.502 20.911,24.687 20.698,24.899 18.825,24.899 18.526,24.6 16.5,24.6
  region: 16.5,15.5 16.636,15.636 18.682,15.636 19.02,15.974 19.02,16.72 19.107,16.807 20.703,16.807 20.911,16.598 20.911,14.413 20.695,14.197 18.829,14.197 18.526,14.5 16.5,14.5
  region: 17.5,15.5 17.364,15.636 15.318,15.636 14.98,15.974 14.98,16.72 14.893,16.807 13.297,16.807 13.089,16.598 13.089,14.413 13.302,14.201 15.175,14.201 15.474,14.5 17.5,14.5
  region: 6.594,34.462 6.593,34.462 6.593,34.463 6.594,34.463 6.594,34.462 6.596,34.462 6.596,34.461 6.594,34.461 6.594,34.462
  region: 13.668,34.671 13.669,34.671 13.669,34.67 13.668,34.67
  region: 13.669,34.669 13.669,34.67 13.67,34.67 13.67,34.669
  region: 14.163,34.569 14.163,34.57 14.163,34.569 14.164,34.569 14.164,34.568 14.163,34.568 14.163,34.569
Mechanical 2:
  lines w0.254: 37,7.325 37,31.5 37,33.586 ccw(c33.586,33.586) 33.586,37 0.414,37 ccw(c0.414,33.586) -3,33.586 -3,2 -3,0.414 ccw(c0.414,0.414) 0.414,-3 4,-3 14,-3 33.586,-3 ccw(c33.586,0.414) 37,0.414 37,2 37,7.5